# Altium PCB 10515.0500_Display_System（6拼版）_V1.0_20200907.PcbDoc (part 2 of 13)
Units mm, origin at the board's own origin, x right, y up, seen from the top; angles counter-clockwise.
Board outline 157 x 228.4 mm, 4 copper layers (Top Layer, Mid-Layer 1, Mid-Layer 2, Bottom Layer); 516 components, 0 nets, 1971 pads, 894 vias.
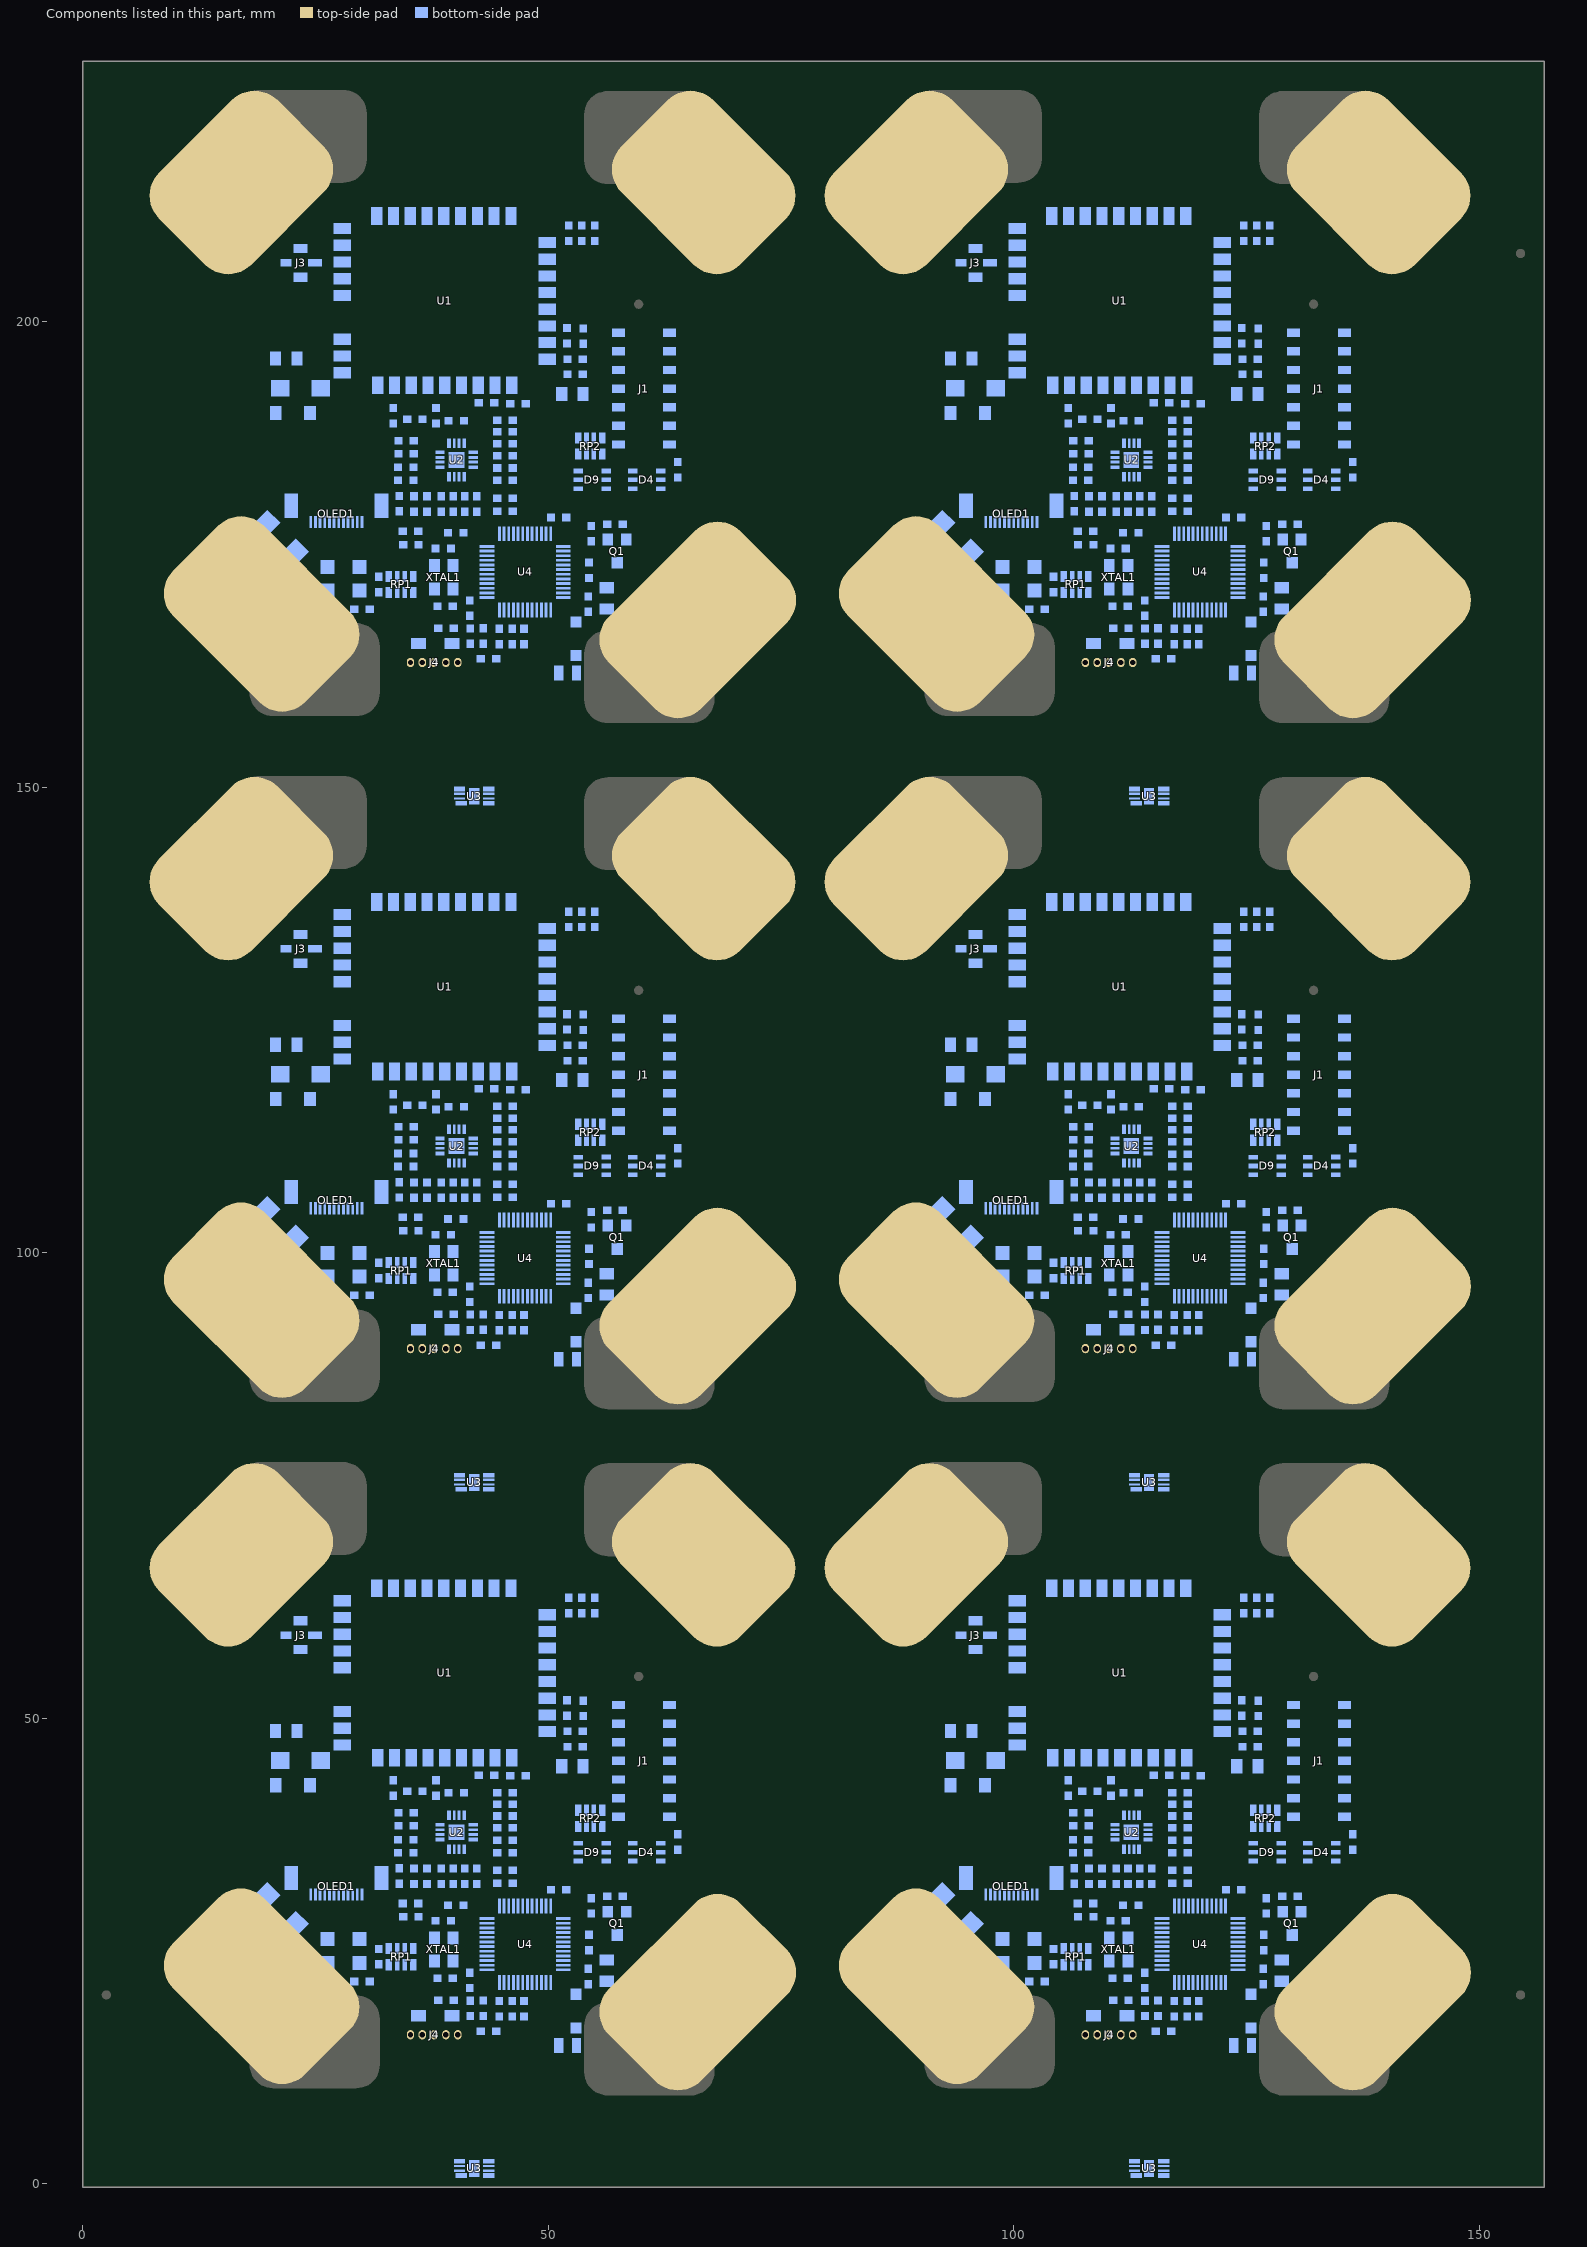
[diagram p4: the components of this part, seen from the top]

## Via types
v1: diameter 0.7, hole 0.4, Top Layer to Bottom Layer, tented both sides, 894 vias

## Nets (pads, with @x,y where several pads share a name; then routed paths per layer and width w, separated by ;. In a path a pad name is that pad's centre, name@x,y a point inside that pad or via, vN(x,y) a via of type N, cw(c..) or ccw(c..) an arc to the next point about the centre after c; other vN are vias at no path point) (continued)
copper on no net: | length 17429.5
  Top Layer w0.17: 14.578,59.753 20.864,53.467 21.372,52.959 21.372,41.91 21.372,41.402 25.817,36.957 v1(31.913,36.957) ; 14.578,133.453 20.864,127.167 21.372,126.659 21.372,115.61 21.372,115.102 25.817,110.657 v1(31.913,110.657) ; 14.578,207.153 20.864,200.867 21.372,200.359 21.372,189.31 21.372,188.802 25.817,184.357 v1(31.913,184.357) ; 19.213,29.21 25.563,35.56 v1(32.167,35.56) ; 19.213,102.91 25.563,109.26 v1(32.167,109.26) ; 19.213,176.61 25.563,182.96 v1(32.167,182.96) ; v1@31.726,36.77 ccw(c31.274,36.317) 31.274,36.957 ccw(c31.274,37.597) v1@31.726,37.144 ; v1@31.726,110.47 ccw(c31.274,110.017) 31.274,110.657 ccw(c31.274,111.297) v1@31.726,110.844 ; v1@31.726,184.17 ccw(c31.274,183.717) 31.274,184.357 ccw(c31.274,184.997) v1@31.726,184.544 ; v1@31.98,35.373 ccw(c31.528,34.92) 31.528,35.56 ccw(c31.528,36.2) v1@31.98,35.747 ; v1@31.98,109.073 ccw(c31.528,108.62) 31.528,109.26 ccw(c31.528,109.9) v1@31.98,109.447 ; v1@31.98,182.773 ccw(c31.528,182.32) 31.528,182.96 ccw(c31.528,183.6) v1@31.98,183.147 ; v1(51.344,35.56) 58.075,35.56 66.802,26.833 ; v1(51.344,36.639) 60.933,36.639 62.901,38.608 62.901,57.15 65.251,59.499 ; v1(51.344,109.26) 58.075,109.26 66.802,100.533 ; v1(51.344,110.339) 60.933,110.339 62.901,112.308 62.901,130.85 65.251,133.199 ; v1(51.344,182.96) 58.075,182.96 66.802,174.233 ; v1(51.344,184.039) 60.933,184.039 62.901,186.008 62.901,204.55 65.251,206.899 ; v1@51.532,35.373 cw(c51.984,34.92) 51.984,35.56 cw(c51.984,36.2) v1@51.532,35.747 ; v1@51.532,36.452 cw(c51.984,36) 51.984,36.639 cw(c51.984,37.279) v1@51.532,36.827 ; v1@51.532,109.073 cw(c51.984,108.62) 51.984,109.26 cw(c51.984,109.9) v1@51.532,109.447 ; v1@51.532,110.152 cw(c51.984,109.7) 51.984,110.339 cw(c51.984,110.979) v1@51.532,110.527 ; v1@51.532,182.773 cw(c51.984,182.32) 51.984,182.96 cw(c51.984,183.6) v1@51.532,183.147 ; v1@51.532,183.852 cw(c51.984,183.4) 51.984,184.039 cw(c51.984,184.679) v1@51.532,184.227 ; 64.785,59.034 cw(c65.938,57.881) 66.355,59.457 ; 64.785,132.734 cw(c65.938,131.581) 66.355,133.157 ; 64.785,206.434 cw(c65.938,205.281) 66.355,206.857 ; 64.994,59.243 cw(c66.026,58.212) 66.399,59.622 ; 64.994,132.943 cw(c66.026,131.912) 66.399,133.322 ; 64.994,206.643 cw(c66.026,205.612) 66.399,207.022 ; 65.203,59.452 cw(c66.113,58.542) 66.442,59.786 ; 65.203,133.152 cw(c66.113,132.242) 66.442,133.486 ; 65.203,206.852 cw(c66.113,205.942) 66.442,207.186 ; 87.078,59.753 93.364,53.467 93.872,52.959 93.872,41.91 93.872,41.402 98.317,36.957 v1(104.413,36.957) ; 87.078,133.453 93.364,127.167 93.872,126.659 93.872,115.61 93.872,115.102 98.317,110.657 v1(104.413,110.657) ; 87.078,207.153 93.364,200.867 93.872,200.359 93.872,189.31 93.872,188.802 98.317,184.357 v1(104.413,184.357) ; 91.713,29.21 98.063,35.56 v1(104.667,35.56) ; 91.713,102.91 98.063,109.26 v1(104.667,109.26) ; 91.713,176.61 98.063,182.96 v1(104.667,182.96) ; v1@104.226,36.77 ccw(c103.774,36.317) 103.774,36.957 ccw(c103.774,37.597) v1@104.226,37.144 ; v1@104.226,110.47 ccw(c103.774,110.017) 103.774,110.657 ccw(c103.774,111.297) v1@104.226,110.844 ; v1@104.226,184.17 ccw(c103.774,183.717) 103.774,184.357 ccw(c103.774,184.997) v1@104.226,184.544 ; v1@104.48,35.373 ccw(c104.028,34.92) 104.028,35.56 ccw(c104.028,36.2) v1@104.48,35.747 ; v1@104.48,109.073 ccw(c104.028,108.62) 104.028,109.26 ccw(c104.028,109.9) v1@104.48,109.447 ; v1@104.48,182.773 ccw(c104.028,182.32) 104.028,182.96 ccw(c104.028,183.6) v1@104.48,183.147 ; v1(123.844,35.56) 130.575,35.56 139.302,26.833 ; v1(123.844,36.639) 133.433,36.639 135.401,38.608 135.401,57.15 137.751,59.499 ; v1(123.844,109.26) 130.575,109.26 139.302,100.533 ; v1(123.844,110.339) 133.433,110.339 135.401,112.308 135.401,130.85 137.751,133.199 ; v1(123.844,182.96) 130.575,182.96 139.302,174.233 ; v1(123.844,184.039) 133.433,184.039 135.401,186.008 135.401,204.55 137.751,206.899 ; v1@124.032,35.373 cw(c124.484,34.92) 124.484,35.56 cw(c124.484,36.2) v1@124.032,35.747 ; v1@124.032,36.452 cw(c124.484,36) 124.484,36.639 cw(c124.484,37.279) v1@124.032,36.827 ; v1@124.032,109.073 cw(c124.484,108.62) 124.484,109.26 cw(c124.484,109.9) v1@124.032,109.447 ; v1@124.032,110.152 cw(c124.484,109.7) 124.484,110.339 cw(c124.484,110.979) v1@124.032,110.527 ; v1@124.032,182.773 cw(c124.484,182.32) 124.484,182.96 cw(c124.484,183.6) v1@124.032,183.147 ; v1@124.032,183.852 cw(c124.484,183.4) 124.484,184.039 cw(c124.484,184.679) v1@124.032,184.227 ; 137.285,59.034 cw(c138.438,57.881) 138.855,59.457 ; 137.285,132.734 cw(c138.438,131.581) 138.855,133.157 ; 137.285,206.434 cw(c138.438,205.281) 138.855,206.857 ; 137.494,59.243 cw(c138.526,58.212) 138.899,59.622 ; 137.494,132.943 cw(c138.526,131.912) 138.899,133.322 ; 137.494,206.643 cw(c138.526,205.612) 138.899,207.022 ; 137.703,59.452 cw(c138.613,58.542) 138.942,59.786 ; 137.703,133.152 cw(c138.613,132.242) 138.942,133.486 ; 137.703,206.852 cw(c138.613,205.942) 138.942,207.186
  Top Layer w0.178: 17.422,55.051 18.277,55.051 19.864,53.464 19.864,34.814 18.832,33.782 ; 17.422,128.751 18.277,128.751 19.864,127.164 19.864,108.514 18.832,107.482 ; 17.422,202.451 18.277,202.451 19.864,200.864 19.864,182.214 18.832,181.182 ; 19.864,35.179 20.529,35.179 ; 19.864,108.879 20.529,108.879 ; 19.864,182.579 20.529,182.579 ; 19.869,40.264 20.652,40.264 ; 19.869,113.964 20.652,113.964 ; 19.869,187.664 20.652,187.664 ; 19.991,36.322 20.652,36.322 ; 19.991,37.465 20.652,37.465 ; 19.991,38.608 20.652,38.608 ; 19.991,110.022 20.652,110.022 ; 19.991,111.165 20.652,111.165 ; 19.991,112.308 20.652,112.308 ; 19.991,183.722 20.652,183.722 ; 19.991,184.865 20.652,184.865 ; 19.991,186.008 20.652,186.008 ; 20.652,39.116 20.652,39.201 ; 20.652,112.816 20.652,112.901 ; 20.652,186.516 20.652,186.601 ; 63.79,36.322 63.848,36.322 ; 63.79,110.022 63.848,110.022 ; 63.79,183.722 63.848,183.722 ; 63.848,37.697 64.215,38.064 ; 63.848,111.397 64.215,111.764 ; 63.848,185.097 64.215,185.464 ; 63.973,37.822 64.215,38.064 ; 63.973,111.522 64.215,111.764 ; 63.973,185.222 64.215,185.464 ; 64.215,54.101 64.215,38.064 ; 64.215,127.801 64.215,111.764 ; 64.215,201.501 64.215,185.464 ; 89.922,55.051 90.777,55.051 92.364,53.464 92.364,34.814 91.332,33.782 ; 89.922,128.751 90.777,128.751 92.364,127.164 92.364,108.514 91.332,107.482 ; 89.922,202.451 90.777,202.451 92.364,200.864 92.364,182.214 91.332,181.182 ; 92.364,35.179 93.029,35.179 ; 92.364,108.879 93.029,108.879 ; 92.364,182.579 93.029,182.579 ; 92.369,40.264 93.152,40.264 ; 92.369,113.964 93.152,113.964 ; 92.369,187.664 93.152,187.664 ; 92.491,36.322 93.152,36.322 ; 92.491,37.465 93.152,37.465 ; 92.491,38.608 93.152,38.608 ; 92.491,110.022 93.152,110.022 ; 92.491,111.165 93.152,111.165 ; 92.491,112.308 93.152,112.308 ; 92.491,183.722 93.152,183.722 ; 92.491,184.865 93.152,184.865 ; 92.491,186.008 93.152,186.008 ; 93.152,39.116 93.152,39.201 ; 93.152,112.816 93.152,112.901 ; 93.152,186.516 93.152,186.601 ; 136.29,36.322 136.348,36.322 ; 136.29,110.022 136.348,110.022 ; 136.29,183.722 136.348,183.722 ; 136.348,37.697 136.715,38.064 ; 136.348,111.397 136.715,111.764 ; 136.348,185.097 136.715,185.464 ; 136.473,37.822 136.715,38.064 ; 136.473,111.522 136.715,111.764 ; 136.473,185.222 136.715,185.464 ; 136.715,54.101 136.715,38.064 ; 136.715,127.801 136.715,111.764 ; 136.715,201.501 136.715,185.464
  Top Layer w0.2: v1@50.405,38.812 cw(c49.979,38.385) 50.582,38.385 cw(c51.186,38.385) v1@50.759,38.812 ; v1@50.405,112.512 cw(c49.979,112.085) 50.582,112.085 cw(c51.186,112.085) v1@50.759,112.512 ; v1@50.405,186.212 cw(c49.979,185.785) 50.582,185.785 cw(c51.186,185.785) v1@50.759,186.212 ; v1(50.582,38.989) 50.582,33.528 50.836,33.274 58.456,33.274 59.091,32.639 v1(59.091,31.75) ; v1(50.582,112.689) 50.582,107.228 50.836,106.974 58.456,106.974 59.091,106.339 v1(59.091,105.45) ; v1(50.582,186.389) 50.582,180.928 50.836,180.674 58.456,180.674 59.091,180.039 v1(59.091,179.15) ; 51.344,56.896 50.563,56.115 50.563,40.933 49.253,39.622 49.253,29.904 49.82,29.337 v1(53.503,29.337) ; 51.344,130.596 50.563,129.815 50.563,114.633 49.253,113.322 49.253,103.604 49.82,103.037 v1(53.503,103.037) ; 51.344,204.296 50.563,203.515 50.563,188.333 49.253,187.022 49.253,177.304 49.82,176.737 v1(53.503,176.737) ; v1@52.31,55.957 ccw(c51.884,55.53) 51.884,56.134 ccw(c51.884,56.738) v1@52.31,56.311 ; v1@52.31,129.657 ccw(c51.884,129.23) 51.884,129.834 ccw(c51.884,130.438) v1@52.31,130.011 ; v1@52.31,203.357 ccw(c51.884,202.93) 51.884,203.534 ccw(c51.884,204.138) v1@52.31,203.711 ; v1@52.437,30.049 ccw(c52.011,29.622) 52.011,30.226 ccw(c52.011,30.83) v1@52.437,30.403 ; v1@52.437,103.749 ccw(c52.011,103.322) 52.011,103.926 ccw(c52.011,104.53) v1@52.437,104.103 ; v1@52.437,177.449 ccw(c52.011,177.022) 52.011,177.626 ccw(c52.011,178.23) v1@52.437,177.803 ; v1(52.487,56.134) 51.471,56.134 50.963,55.626 50.963,40.767 49.653,39.457 49.653,30.52 49.947,30.226 v1(52.614,30.226) ; v1(52.487,129.834) 51.471,129.834 50.963,129.326 50.963,114.467 49.653,113.157 49.653,104.22 49.947,103.926 v1(52.614,103.926) ; v1(52.487,203.534) 51.471,203.534 50.963,203.026 50.963,188.167 49.653,186.857 49.653,177.92 49.947,177.626 v1(52.614,177.626) ; v1@53.326,29.16 ccw(c52.9,28.733) 52.9,29.337 ccw(c52.9,29.941) v1@53.326,29.514 ; v1@53.326,102.86 ccw(c52.9,102.433) 52.9,103.037 ccw(c52.9,103.641) v1@53.326,103.214 ; v1@53.326,176.56 ccw(c52.9,176.133) 52.9,176.737 ccw(c52.9,177.341) v1@53.326,176.914 ; v1@58.914,31.927 ccw(c58.488,32.354) 59.091,32.354 ccw(c59.695,32.354) v1@59.268,31.927 ; v1@58.914,105.627 ccw(c58.488,106.054) 59.091,106.054 ccw(c59.695,106.054) v1@59.268,105.627 ; v1@58.914,179.327 ccw(c58.488,179.754) 59.091,179.754 ccw(c59.695,179.754) v1@59.268,179.327 ; v1@122.905,38.812 cw(c122.479,38.385) 123.082,38.385 cw(c123.686,38.385) v1@123.259,38.812 ; v1@122.905,112.512 cw(c122.479,112.085) 123.082,112.085 cw(c123.686,112.085) v1@123.259,112.512 ; v1@122.905,186.212 cw(c122.479,185.785) 123.082,185.785 cw(c123.686,185.785) v1@123.259,186.212 ; v1(123.082,38.989) 123.082,33.528 123.336,33.274 130.956,33.274 131.591,32.639 v1(131.591,31.75) ; v1(123.082,112.689) 123.082,107.228 123.336,106.974 130.956,106.974 131.591,106.339 v1(131.591,105.45) ; v1(123.082,186.389) 123.082,180.928 123.336,180.674 130.956,180.674 131.591,180.039 v1(131.591,179.15) ; 123.844,56.896 123.063,56.115 123.063,40.933 121.753,39.622 121.753,29.904 122.32,29.337 v1(126.003,29.337) ; 123.844,130.596 123.063,129.815 123.063,114.633 121.753,113.322 121.753,103.604 122.32,103.037 v1(126.003,103.037) ; 123.844,204.296 123.063,203.515 123.063,188.333 121.753,187.022 121.753,177.304 122.32,176.737 v1(126.003,176.737) ; v1@124.81,55.957 ccw(c124.384,55.53) 124.384,56.134 ccw(c124.384,56.738) v1@124.81,56.311 ; v1@124.81,129.657 ccw(c124.384,129.23) 124.384,129.834 ccw(c124.384,130.438) v1@124.81,130.011 ; v1@124.81,203.357 ccw(c124.384,202.93) 124.384,203.534 ccw(c124.384,204.138) v1@124.81,203.711 ; v1@124.937,30.049 ccw(c124.511,29.622) 124.511,30.226 ccw(c124.511,30.83) v1@124.937,30.403 ; v1@124.937,103.749 ccw(c124.511,103.322) 124.511,103.926 ccw(c124.511,104.53) v1@124.937,104.103 ; v1@124.937,177.449 ccw(c124.511,177.022) 124.511,177.626 ccw(c124.511,178.23) v1@124.937,177.803 ; v1(124.987,56.134) 123.971,56.134 123.463,55.626 123.463,40.767 122.153,39.457 122.153,30.52 122.447,30.226 v1(125.114,30.226) ; v1(124.987,129.834) 123.971,129.834 123.463,129.326 123.463,114.467 122.153,113.157 122.153,104.22 122.447,103.926 v1(125.114,103.926) ; v1(124.987,203.534) 123.971,203.534 123.463,203.026 123.463,188.167 122.153,186.857 122.153,177.92 122.447,177.626 v1(125.114,177.626) ; v1@125.826,29.16 ccw(c125.4,28.733) 125.4,29.337 ccw(c125.4,29.941) v1@125.826,29.514 ; v1@125.826,102.86 ccw(c125.4,102.433) 125.4,103.037 ccw(c125.4,103.641) v1@125.826,103.214 ; v1@125.826,176.56 ccw(c125.4,176.133) 125.4,176.737 ccw(c125.4,177.341) v1@125.826,176.914 ; v1@131.414,31.927 ccw(c130.988,32.354) 131.591,32.354 ccw(c132.195,32.354) v1@131.768,31.927 ; v1@131.414,105.627 ccw(c130.988,106.054) 131.591,106.054 ccw(c132.195,106.054) v1@131.768,105.627 ; v1@131.414,179.327 ccw(c130.988,179.754) 131.591,179.754 ccw(c132.195,179.754) v1@131.768,179.327
  Top Layer w0.25: v1(27.849,22.098) 30.897,22.098 31.238,22.439 31.238,32.345 31.763,32.87 46.622,32.87 47.026,33.274 v1(47.026,38.227) ; v1(27.849,95.798) 30.897,95.798 31.238,96.139 31.238,106.045 31.763,106.57 46.622,106.57 47.026,106.974 v1(47.026,111.927) ; v1(27.849,169.498) 30.897,169.498 31.238,169.839 31.238,179.745 31.763,180.27 46.622,180.27 47.026,180.674 v1(47.026,185.627) ; v1@28.008,21.939 cw(c28.392,21.555) 28.392,22.098 cw(c28.392,22.641) v1@28.008,22.257 ; v1@28.008,95.639 cw(c28.392,95.255) 28.392,95.798 cw(c28.392,96.341) v1@28.008,95.957 ; v1@28.008,169.339 cw(c28.392,168.955) 28.392,169.498 cw(c28.392,170.041) v1@28.008,169.657 ; v1@31.754,21.912 ccw(c31.37,22.296) 31.913,22.296 ccw(c32.456,22.296) v1@32.072,21.912 ; v1@31.754,30.194 cw(c31.37,29.81) 31.913,29.81 cw(c32.456,29.81) v1@32.072,30.194 ; v1@31.754,95.612 ccw(c31.37,95.996) 31.913,95.996 ccw(c32.456,95.996) v1@32.072,95.612 ; v1@31.754,103.894 cw(c31.37,103.51) 31.913,103.51 cw(c32.456,103.51) v1@32.072,103.894 ; v1@31.754,169.312 ccw(c31.37,169.696) 31.913,169.696 ccw(c32.456,169.696) v1@32.072,169.312 ; v1@31.754,177.594 cw(c31.37,177.21) 31.913,177.21 cw(c32.456,177.21) v1@32.072,177.594 ; v1(31.913,21.752) v1(31.913,30.353) ; v1(31.913,95.452) v1(31.913,104.053) ; v1(31.913,169.152) v1(31.913,177.753) ; v1(32.675,22.479) 33.691,22.479 v1(34.644,21.526) ; v1(32.675,96.179) 33.691,96.179 v1(34.644,95.226) ; v1(32.675,169.879) 33.691,169.879 v1(34.644,168.926) ; v1@32.834,22.32 cw(c33.218,21.936) 33.218,22.479 cw(c33.218,23.022) v1@32.834,22.638 ; v1@32.834,96.02 cw(c33.218,95.636) 33.218,96.179 cw(c33.218,96.722) v1@32.834,96.338 ; v1@32.834,169.72 cw(c33.218,169.336) 33.218,169.879 cw(c33.218,170.422) v1@32.834,170.038 ; v1@34.419,21.526 ccw(c33.876,21.526) 34.26,21.911 ccw(c34.644,22.295) v1@34.644,21.752 ; v1@34.419,95.226 ccw(c33.876,95.226) 34.26,95.611 ccw(c34.644,95.995) v1@34.644,95.452 ; v1@34.419,168.926 ccw(c33.876,168.926) 34.26,169.311 ccw(c34.644,169.695) v1@34.644,169.152 ; v1@37.723,9.303 ccw(c37.339,9.687) 37.882,9.687 ccw(c38.425,9.687) v1@38.041,9.303 ; v1@37.723,83.003 ccw(c37.339,83.387) 37.882,83.387 ccw(c38.425,83.387) v1@38.041,83.003 ; v1@37.723,156.703 ccw(c37.339,157.087) 37.882,157.087 ccw(c38.425,157.087) v1@38.041,156.703 ; v1(37.882,9.144) 37.882,10.922 38.009,11.049 44.359,11.049 44.867,11.557 v1@44.867,18.796 ; v1@37.882,32.194 44.804,32.194 45.121,31.877 v1(45.121,31.242) ; v1(37.882,82.844) 37.882,84.622 38.009,84.749 44.359,84.749 44.867,85.257 v1@44.867,92.496 ; v1@37.882,105.894 44.804,105.894 45.121,105.577 v1(45.121,104.942) ; v1(37.882,156.544) 37.882,158.322 38.009,158.449 44.359,158.449 44.867,158.957 v1@44.867,166.196 ; v1@37.882,179.594 44.804,179.594 45.121,179.277 v1(45.121,178.642) ; v1@37.914,32.035 cw(c38.298,31.651) 38.298,32.194 cw(c38.298,32.738) v1@37.914,32.354 ; v1@37.914,105.735 cw(c38.298,105.351) 38.298,105.894 cw(c38.298,106.438) v1@37.914,106.054 ; v1@37.914,179.435 cw(c38.298,179.051) 38.298,179.594 cw(c38.298,180.138) v1@37.914,179.754 ; v1@38.866,8.922 ccw(c38.482,9.306) 39.025,9.306 ccw(c39.568,9.306) v1@39.184,8.922 ; v1@38.866,82.622 ccw(c38.482,83.006) 39.025,83.006 ccw(c39.568,83.006) v1@39.184,82.622 ; v1@38.866,156.322 ccw(c38.482,156.706) 39.025,156.706 ccw(c39.568,156.706) v1@39.184,156.322 ; v1@39.025,9.017 39.025,10.414 39.21,10.599 45.052,10.599 ; v1@39.025,82.717 39.025,84.114 39.21,84.299 45.052,84.299 ; v1@39.025,156.417 39.025,157.814 39.21,157.999 45.052,157.999 ; v1@39.77,31.387 cw(c40.437,30.72) 40.437,31.663 ; v1@39.77,105.087 cw(c40.437,104.42) 40.437,105.363 ; v1@39.77,178.787 cw(c40.437,178.12) 40.437,179.063 ; v1(39.787,31.369) 40.081,31.663 43.811,31.663 44.105,31.369 v1(44.105,29.972) ; v1(39.787,105.069) 40.081,105.363 43.811,105.363 44.105,105.069 v1(44.105,103.672) ; v1(39.787,178.769) 40.081,179.063 43.811,179.063 44.105,178.769 v1(44.105,177.372) ; v1@39.946,31.21 cw(c41.04,30.116) 41.04,31.663 ; v1@39.946,104.91 cw(c41.04,103.816) 41.04,105.363 ; v1@39.946,178.61 cw(c41.04,177.516) 41.04,179.063 ; v1@41.406,23.908 ccw(c41.022,24.292) 41.565,24.292 ccw(c42.108,24.292) v1@41.724,23.908 ; v1@41.406,97.608 ccw(c41.022,97.992) 41.565,97.992 ccw(c42.108,97.992) v1@41.724,97.608 ; v1@41.406,171.308 ccw(c41.022,171.692) 41.565,171.692 ccw(c42.108,171.692) v1@41.724,171.308 ; v1(41.565,23.749) 41.565,25.527 42.012,25.973 v1(44.933,25.973) ; v1(41.565,97.449) 41.565,99.227 42.012,99.673 v1(44.933,99.673) ; v1(41.565,171.149) 41.565,172.927 42.012,173.373 v1(44.933,173.373) ; v1(42.2,30.988) 43.089,30.988 43.343,30.734 v1(43.343,29.083) ; v1(42.2,104.688) 43.089,104.688 43.343,104.434 v1(43.343,102.783) ; v1(42.2,178.388) 43.089,178.388 43.343,178.134 v1(43.343,176.483) ; v1@42.359,30.829 cw(c42.743,30.445) 42.743,30.988 cw(c42.743,31.531) v1@42.359,31.147 ; v1@42.359,104.529 cw(c42.743,104.145) 42.743,104.688 cw(c42.743,105.231) v1@42.359,104.847 ; v1@42.359,178.229 cw(c42.743,177.845) 42.743,178.388 cw(c42.743,178.931) v1@42.359,178.547 ; v1@43.184,29.242 ccw(c42.8,29.626) 43.343,29.626 ccw(c43.886,29.626) v1@43.502,29.242 ; v1@43.184,102.942 ccw(c42.8,103.326) 43.343,103.326 ccw(c43.886,103.326) v1@43.502,102.942 ; v1@43.184,176.642 ccw(c42.8,177.026) 43.343,177.026 ccw(c43.886,177.026) v1@43.502,176.642 ; v1@43.946,30.131 ccw(c43.562,30.515) 44.105,30.515 ccw(c44.648,30.515) v1@44.264,30.131 ; v1@43.946,103.831 ccw(c43.562,104.215) 44.105,104.215 ccw(c44.648,104.215) v1@44.264,103.831 ; v1@43.946,177.531 ccw(c43.562,177.915) 44.105,177.915 ccw(c44.648,177.915) v1@44.264,177.531 ; v1@44.708,18.891 cw(c44.324,18.507) 44.867,18.507 cw(c45.41,18.507) v1@45.026,18.891 ; v1@44.708,92.591 cw(c44.324,92.207) 44.867,92.207 cw(c45.41,92.207) v1@45.026,92.591 ; v1@44.708,166.291 cw(c44.324,165.907) 44.867,165.907 cw(c45.41,165.907) v1@45.026,166.291 ; v1@44.774,25.814 ccw(c44.39,25.43) 44.39,25.973 ccw(c44.39,26.517) v1@44.774,26.133 ; v1@44.774,99.514 ccw(c44.39,99.13) 44.39,99.673 ccw(c44.39,100.217) v1@44.774,99.833 ; v1@44.774,173.214 ccw(c44.39,172.83) 44.39,173.373 ccw(c44.39,173.917) v1@44.774,173.533 ; v1@44.962,31.401 ccw(c44.578,31.785) 45.121,31.785 ccw(c45.664,31.785) v1@45.28,31.401 ; v1@44.962,105.101 ccw(c44.578,105.485) 45.121,105.485 ccw(c45.664,105.485) v1@45.28,105.101 ; v1@44.962,178.801 ccw(c44.578,179.185) 45.121,179.185 ccw(c45.664,179.185) v1@45.28,178.801 ; v1@44.977,24.021 cw(c45.337,23.66) 45.337,24.17 ; v1@44.977,97.721 cw(c45.337,97.36) 45.337,97.87 ; v1@44.977,171.421 cw(c45.337,171.06) 45.337,171.57 ; v1(44.994,24.003) 45.161,24.17 51.257,24.17 51.725,24.638 51.725,26.797 52.614,27.686 54.392,27.686 v1@54.519,27.813 ; v1(44.994,97.703) 45.161,97.87 51.257,97.87 51.725,98.338 51.725,100.497 52.614,101.386 54.392,101.386 v1@54.519,101.513 ; v1(44.994,171.403) 45.161,171.57 51.257,171.57 51.725,172.038 51.725,174.197 52.614,175.086 54.392,175.086 v1@54.519,175.213 ; 45.121,10.668 45.375,10.922 45.375,17.97 45.756,18.351 v1@45.756,19.05 ; 45.121,84.368 45.375,84.622 45.375,91.67 45.756,92.051 v1@45.756,92.75 ; 45.121,158.068 45.375,158.322 45.375,165.37 45.756,165.751 v1@45.756,166.45 ; v1@45.153,23.844 cw(c45.941,23.057) 45.941,24.17 ; v1@45.153,97.544 cw(c45.941,96.757) 45.941,97.87 ; v1@45.153,171.244 cw(c45.941,170.457) 45.941,171.57 ; 45.756,18.34 cw(c46.423,18.34) v1@46.019,18.871 ; 45.756,92.04 cw(c46.423,92.04) v1@46.019,92.571 ; 45.756,165.74 cw(c46.423,165.74) v1@46.019,166.271 ; v1(46.137,16.256) 50.328,16.256 50.582,16.51 v1(50.582,17.145) ; v1(46.137,89.956) 50.328,89.956 50.582,90.21 v1(50.582,90.845) ; v1(46.137,163.656) 50.328,163.656 50.582,163.91 v1(50.582,164.545) ; v1@46.296,16.097 cw(c46.68,15.713) 46.68,16.256 cw(c46.68,16.799) v1@46.296,16.415 ; v1@46.296,89.797 cw(c46.68,89.413) 46.68,89.956 cw(c46.68,90.499) v1@46.296,90.115 ; v1@46.296,163.497 cw(c46.68,163.113) 46.68,163.656 cw(c46.68,164.199) v1@46.296,163.815 ; v1(46.391,15.367) 46.772,15.748 ; v1(46.391,89.067) 46.772,89.448 ; v1(46.391,162.767) 46.772,163.148 ; v1@46.393,15.592 ccw(c46.396,16.125) 46.772,15.748 ; v1@46.393,89.292 ccw(c46.396,89.825) 46.772,89.448 ; v1@46.393,162.992 ccw(c46.396,163.525) 46.772,163.148 ; v1@46.616,15.368 cw(c47.149,15.371) 46.772,15.748 ; v1@46.616,89.068 cw(c47.149,89.071) 46.772,89.448 ; v1@46.616,162.768 cw(c47.149,162.771) 46.772,163.148 ; v1@46.867,38.068 cw(c46.483,37.684) 47.026,37.684 cw(c47.569,37.684) v1@47.185,38.068 ; v1@46.867,111.768 cw(c46.483,111.384) 47.026,111.384 cw(c47.569,111.384) v1@47.185,111.768 ; v1@46.867,185.468 cw(c46.483,185.084) 47.026,185.084 cw(c47.569,185.084) v1@47.185,185.468 ; v1@47.368,31.775 ccw(c47.059,32.116) 47.52,32.116 ; v1@47.368,105.475 ccw(c47.059,105.816) 47.52,105.816 ; v1@47.368,179.175 ccw(c47.059,179.516) 47.52,179.516 ; v1@47.407,15.113 52.36,15.113 52.868,15.621 52.868,24.511 v1(53.122,24.765) ; v1@47.407,88.813 52.36,88.813 52.868,89.321 52.868,98.211 v1(53.122,98.465) ; v1@47.407,162.513 52.36,162.513 52.868,163.021 52.868,171.911 v1(53.122,172.165) ; v1(47.52,31.608) 47.52,32.116 ; v1(47.52,105.308) 47.52,105.816 ; v1(47.52,179.008) 47.52,179.516 ; v1@47.566,14.827 cw(c48.257,14.136) 48.257,15.113 ; v1@47.566,88.527 cw(c48.257,87.836) 48.257,88.813 ; v1@47.566,162.227 cw(c48.257,161.536) 48.257,162.513 ; v1@47.615,42.386 cw(c47.23,42.002) 47.774,42.002 cw(c48.317,42.002) v1@47.933,42.386 ; v1@47.615,116.086 cw(c47.23,115.702) 47.774,115.702 cw(c48.317,115.702) v1@47.933,116.086 ; v1@47.615,189.786 cw(c47.23,189.402) 47.774,189.402 cw(c48.317,189.402) v1@47.933,189.786 ; v1@47.671,31.775 cw(c47.981,32.116) 47.52,32.116 ; v1@47.671,105.475 cw(c47.981,105.816) 47.52,105.816 ; v1@47.671,179.175 cw(c47.981,179.516) 47.52,179.516 ; v1(47.774,42.545) 47.774,32.37 47.52,32.116 ; v1(47.774,116.245) 47.774,106.07 47.52,105.816 ; v1(47.774,189.945) 47.774,179.77 47.52,179.516 ; v1@50.423,16.986 cw(c50.039,16.602) 50.582,16.602 cw(c51.125,16.602) v1@50.741,16.986 ; v1@50.423,90.686 cw(c50.039,90.302) 50.582,90.302 cw(c51.125,90.302) v1@50.741,90.686 ; v1@50.423,164.386 cw(c50.039,164.002) 50.582,164.002 cw(c51.125,164.002) v1@50.741,164.386 ; 51.344,56.896 v1(53.376,56.896) ; 51.344,130.596 v1(53.376,130.596) ; 51.344,204.296 v1(53.376,204.296) ; v1@51.693,42.577 ccw(c51.309,42.961) 51.852,42.961 ccw(c52.395,42.961) v1@52.011,42.577 ; v1@51.693,54.324 cw(c51.309,53.94) 51.852,53.94 cw(c52.395,53.94) v1@52.011,54.324 ; v1@51.693,116.277 ccw(c51.309,116.661) 51.852,116.661 ccw(c52.395,116.661) v1@52.011,116.277 ; v1@51.693,128.024 cw(c51.309,127.64) 51.852,127.64 cw(c52.395,127.64) v1@52.011,128.024 ; v1@51.693,189.977 ccw(c51.309,190.361) 51.852,190.361 ccw(c52.395,190.361) v1@52.011,189.977 ; v1@51.693,201.724 cw(c51.309,201.34) 51.852,201.34 cw(c52.395,201.34) v1@52.011,201.724 ; v1(51.852,42.418) v1(51.852,54.483) ; v1(51.852,116.118) v1(51.852,128.183) ; v1(51.852,189.818) v1(51.852,201.883) ; v1@52.455,41.688 ccw(c51.738,42.405) 52.752,42.405 ; v1@52.455,115.388 ccw(c51.738,116.105) 52.752,116.105 ; v1@52.455,189.088 ccw(c51.738,189.805) 52.752,189.805 ; v1(52.614,41.529) 52.752,41.667 52.752,54.367 v1(52.868,54.483) ; v1(52.614,115.229) 52.752,115.367 52.752,128.067 v1(52.868,128.183) ; v1(52.614,188.929) 52.752,189.067 52.752,201.767 v1(52.868,201.883) ; 52.752,53.66 cw(c53.692,53.66) v1@53.027,54.324 ; 52.752,127.36 cw(c53.692,127.36) v1@53.027,128.024 ; 52.752,201.06 cw(c53.692,201.06) v1@53.027,201.724 ; 52.868,23.609 cw(c54.279,23.609) v1@53.281,24.606 ; 52.868,24.212 cw(c53.675,24.212) v1@53.105,24.783 ; 52.868,97.309 cw(c54.279,97.309) v1@53.281,98.306 ; 52.868,97.912 cw(c53.675,97.912) v1@53.105,98.483 ; 52.868,171.009 cw(c54.279,171.009) v1@53.281,172.006 ; 52.868,171.612 cw(c53.675,171.612) v1@53.105,172.183 ; v1@53.217,56.737 ccw(c52.833,56.353) 52.833,56.896 ccw(c52.833,57.439) v1@53.217,57.055 ; v1@53.217,130.437 ccw(c52.833,130.053) 52.833,130.596 ccw(c52.833,131.139) v1@53.217,130.755 ; v1@53.217,204.137 ccw(c52.833,203.753) 52.833,204.296 ccw(c52.833,204.839) v1@53.217,204.455 ; 53.363,27.686 ccw(c53.363,29.096) v1@54.36,28.099 ; 53.363,101.386 ccw(c53.363,102.796) v1@54.36,101.799 ; 53.363,175.086 ccw(c53.363,176.496) v1@54.36,175.499 ; 53.966,27.686 ccw(c53.966,28.493) v1@54.537,27.922 ; 53.966,101.386 ccw(c53.966,102.193) v1@54.537,101.622 ; 53.966,175.086 ccw(c53.966,175.893) v1@54.537,175.322 ; v1@55.249,26.638 ccw(c54.865,26.254) 54.865,26.797 ccw(c54.865,27.34) v1@55.249,26.956 ; v1@55.249,100.338 ccw(c54.865,99.954) 54.865,100.497 ccw(c54.865,101.04) v1@55.249,100.656 ; v1@55.249,174.038 ccw(c54.865,173.654) 54.865,174.197 ccw(c54.865,174.74) v1@55.249,174.356 ; v1(55.408,26.797) 52.868,26.797 52.418,26.347 52.418,16.187 51.979,15.748 46.772,15.748 ; v1(55.408,100.497) 52.868,100.497 52.418,100.047 52.418,89.887 51.979,89.448 46.772,89.448 ; v1(55.408,174.197) 52.868,174.197 52.418,173.747 52.418,163.587 51.979,163.148 46.772,163.148 ; 65.951,20.148 66.023,20.148 ; 65.951,93.848 66.023,93.848 ; 65.951,167.548 66.023,167.548 ; v1(100.349,22.098) 103.397,22.098 103.738,22.439 103.738,32.345 104.263,32.87 119.122,32.87 119.526,33.274 v1(119.526,38.227) ; v1(100.349,95.798) 103.397,95.798 103.738,96.139 103.738,106.045 104.263,106.57 119.122,106.57 119.526,106.974 v1(119.526,111.927) ; v1(100.349,169.498) 103.397,169.498 103.738,169.839 103.738,179.745 104.263,180.27 119.122,180.27 119.526,180.674 v1(119.526,185.627) ; v1@100.508,21.939 cw(c100.892,21.555) 100.892,22.098 cw(c100.892,22.641) v1@100.508,22.257 ; v1@100.508,95.639 cw(c100.892,95.255) 100.892,95.798 cw(c100.892,96.341) v1@100.508,95.957 ; v1@100.508,169.339 cw(c100.892,168.955) 100.892,169.498 cw(c100.892,170.041) v1@100.508,169.657 ; v1@104.254,21.912 ccw(c103.87,22.296) 104.413,22.296 ccw(c104.956,22.296) v1@104.572,21.912 ; v1@104.254,30.194 cw(c103.87,29.81) 104.413,29.81 cw(c104.956,29.81) v1@104.572,30.194 ; v1@104.254,95.612 ccw(c103.87,95.996) 104.413,95.996 ccw(c104.956,95.996) v1@104.572,95.612 ; v1@104.254,103.894 cw(c103.87,103.51) 104.413,103.51 cw(c104.956,103.51) v1@104.572,103.894 ; v1@104.254,169.312 ccw(c103.87,169.696) 104.413,169.696 ccw(c104.956,169.696) v1@104.572,169.312 ; v1@104.254,177.594 cw(c103.87,177.21) 104.413,177.21 cw(c104.956,177.21) v1@104.572,177.594 ; v1(104.413,21.752) v1(104.413,30.353) ; v1(104.413,95.452) v1(104.413,104.053) ; v1(104.413,169.152) v1(104.413,177.753) ; v1(105.175,22.479) 106.191,22.479 v1(107.144,21.526) ; v1(105.175,96.179) 106.191,96.179 v1(107.144,95.226) ; v1(105.175,169.879) 106.191,169.879 v1(107.144,168.926) ; v1@105.334,22.32 cw(c105.718,21.936) 105.718,22.479 cw(c105.718,23.022) v1@105.334,22.638 ; v1@105.334,96.02 cw(c105.718,95.636) 105.718,96.179 cw(c105.718,96.722) v1@105.334,96.338 ; v1@105.334,169.72 cw(c105.718,169.336) 105.718,169.879 cw(c105.718,170.422) v1@105.334,170.038 ; v1@106.919,21.526 ccw(c106.376,21.526) 106.76,21.911 ccw(c107.144,22.295) v1@107.144,21.752 ; v1@106.919,95.226 ccw(c106.376,95.226) 106.76,95.611 ccw(c107.144,95.995) v1@107.144,95.452 ; v1@106.919,168.926 ccw(c106.376,168.926) 106.76,169.311 ccw(c107.144,169.695) v1@107.144,169.152 ; v1@110.223,9.303 ccw(c109.839,9.687) 110.382,9.687 ccw(c110.925,9.687) v1@110.541,9.303 ; v1@110.223,83.003 ccw(c109.839,83.387) 110.382,83.387 ccw(c110.925,83.387) v1@110.541,83.003 ; v1@110.223,156.703 ccw(c109.839,157.087) 110.382,157.087 ccw(c110.925,157.087) v1@110.541,156.703 ; v1(110.382,9.144) 110.382,10.922 110.509,11.049 116.859,11.049 117.367,11.557 v1@117.367,18.796 ; v1@110.382,32.194 117.304,32.194 117.621,31.877 v1(117.621,31.242) ; v1(110.382,82.844) 110.382,84.622 110.509,84.749 116.859,84.749 117.367,85.257 v1@117.367,92.496 ; v1@110.382,105.894 117.304,105.894 117.621,105.577 v1(117.621,104.942) ; v1(110.382,156.544) 110.382,158.322 110.509,158.449 116.859,158.449 117.367,158.957 v1@117.367,166.196 ; v1@110.382,179.594 117.304,179.594 117.621,179.277 v1(117.621,178.642) ; v1@110.414,32.035 cw(c110.798,31.651) 110.798,32.194 cw(c110.798,32.738) v1@110.414,32.354 ; v1@110.414,105.735 cw(c110.798,105.351) 110.798,105.894 cw(c110.798,106.438) v1@110.414,106.054 ; v1@110.414,179.435 cw(c110.798,179.051) 110.798,179.594 cw(c110.798,180.138) v1@110.414,179.754 ; v1@111.366,8.922 ccw(c110.982,9.306) 111.525,9.306 ccw(c112.068,9.306) v1@111.684,8.922 ; v1@111.366,82.622 ccw(c110.982,83.006) 111.525,83.006 ccw(c112.068,83.006) v1@111.684,82.622 ; v1@111.366,156.322 ccw(c110.982,156.706) 111.525,156.706 ccw(c112.068,156.706) v1@111.684,156.322 ; v1@111.525,9.017 111.525,10.414 111.71,10.599 117.552,10.599 ; v1@111.525,82.717 111.525,84.114 111.71,84.299 117.552,84.299 ; v1@111.525,156.417 111.525,157.814 111.71,157.999 117.552,157.999 ; v1@112.27,31.387 cw(c112.937,30.72) 112.937,31.663 ; v1@112.27,105.087 cw(c112.937,104.42) 112.937,105.363 ; v1@112.27,178.787 cw(c112.937,178.12) 112.937,179.063 ; v1(112.287,31.369) 112.581,31.663 116.311,31.663 116.605,31.369 v1(116.605,29.972) ; v1(112.287,105.069) 112.581,105.363 116.311,105.363 116.605,105.069 v1(116.605,103.672) ; v1(112.287,178.769) 112.581,179.063 116.311,179.063 116.605,178.769 v1(116.605,177.372) ; v1@112.446,31.21 cw(c113.54,30.116) 113.54,31.663 ; v1@112.446,104.91 cw(c113.54,103.816) 113.54,105.363 ; v1@112.446,178.61 cw(c113.54,177.516) 113.54,179.063 ; v1@113.906,23.908 ccw(c113.522,24.292) 114.065,24.292 ccw(c114.608,24.292) v1@114.224,23.908 ; v1@113.906,97.608 ccw(c113.522,97.992) 114.065,97.992 ccw(c114.608,97.992) v1@114.224,97.608 ; v1@113.906,171.308 ccw(c113.522,171.692) 114.065,171.692 ccw(c114.608,171.692) v1@114.224,171.308 ; v1(114.065,23.749) 114.065,25.527 114.512,25.973 v1(117.433,25.973) ; v1(114.065,97.449) 114.065,99.227 114.512,99.673 v1(117.433,99.673) ; v1(114.065,171.149) 114.065,172.927 114.512,173.373 v1(117.433,173.373) ; v1(114.7,30.988) 115.589,30.988 115.843,30.734 v1(115.843,29.083) ; v1(114.7,104.688) 115.589,104.688 115.843,104.434 v1(115.843,102.783) ; v1(114.7,178.388) 115.589,178.388 115.843,178.134 v1(115.843,176.483) ; v1@114.859,30.829 cw(c115.243,30.445) 115.243,30.988 cw(c115.243,31.531) v1@114.859,31.147 ; v1@114.859,104.529 cw(c115.243,104.145) 115.243,104.688 cw(c115.243,105.231) v1@114.859,104.847 ; v1@114.859,178.229 cw(c115.243,177.845) 115.243,178.388 cw(c115.243,178.931) v1@114.859,178.547 ; v1@115.684,29.242 ccw(c115.3,29.626) 115.843,29.626 ccw(c116.386,29.626) v1@116.002,29.242 ; v1@115.684,102.942 ccw(c115.3,103.326) 115.843,103.326 ccw(c116.386,103.326) v1@116.002,102.942 ; v1@115.684,176.642 ccw(c115.3,177.026) 115.843,177.026 ccw(c116.386,177.026) v1@116.002,176.642 ; v1@116.446,30.131 ccw(c116.062,30.515) 116.605,30.515 ccw(c117.148,30.515) v1@116.764,30.131 ; v1@116.446,103.831 ccw(c116.062,104.215) 116.605,104.215 ccw(c117.148,104.215) v1@116.764,103.831 ; v1@116.446,177.531 ccw(c116.062,177.915) 116.605,177.915 ccw(c117.148,177.915) v1@116.764,177.531 ; v1@117.208,18.891 cw(c116.824,18.507) 117.367,18.507 cw(c117.91,18.507) v1@117.526,18.891 ; v1@117.208,92.591 cw(c116.824,92.207) 117.367,92.207 cw(c117.91,92.207) v1@117.526,92.591 ; v1@117.208,166.291 cw(c116.824,165.907) 117.367,165.907 cw(c117.91,165.907) v1@117.526,166.291 ; v1@117.274,25.814 ccw(c116.89,25.43) 116.89,25.973 ccw(c116.89,26.517) v1@117.274,26.133 ; v1@117.274,99.514 ccw(c116.89,99.13) 116.89,99.673 ccw(c116.89,100.217) v1@117.274,99.833 ; v1@117.274,173.214 ccw(c116.89,172.83) 116.89,173.373 ccw(c116.89,173.917) v1@117.274,173.533 ; v1@117.462,31.401 ccw(c117.078,31.785) 117.621,31.785 ccw(c118.164,31.785) v1@117.78,31.401 ; v1@117.462,105.101 ccw(c117.078,105.485) 117.621,105.485 ccw(c118.164,105.485) v1@117.78,105.101 ; v1@117.462,178.801 ccw(c117.078,179.185) 117.621,179.185 ccw(c118.164,179.185) v1@117.78,178.801 ; v1@117.477,24.021 cw(c117.837,23.66) 117.837,24.17 ; v1@117.477,97.721 cw(c117.837,97.36) 117.837,97.87 ; v1@117.477,171.421 cw(c117.837,171.06) 117.837,171.57 ; v1(117.494,24.003) 117.661,24.17 123.757,24.17 124.225,24.638 124.225,26.797 125.114,27.686 126.892,27.686 v1@127.019,27.813 ; v1(117.494,97.703) 117.661,97.87 123.757,97.87 124.225,98.338 124.225,100.497 125.114,101.386 126.892,101.386 v1@127.019,101.513 ; v1(117.494,171.403) 117.661,171.57 123.757,171.57 124.225,172.038 124.225,174.197 125.114,175.086 126.892,175.086 v1@127.019,175.213 ; 117.621,10.668 117.875,10.922 117.875,17.97 118.256,18.351 v1@118.256,19.05 ; 117.621,84.368 117.875,84.622 117.875,91.67 118.256,92.051 v1@118.256,92.75 ; 117.621,158.068 117.875,158.322 117.875,165.37 118.256,165.751 v1@118.256,166.45 ; v1@117.653,23.844 cw(c118.441,23.057) 118.441,24.17 ; v1@117.653,97.544 cw(c118.441,96.757) 118.441,97.87 ; v1@117.653,171.244 cw(c118.441,170.457) 118.441,171.57 ; 118.256,18.34 cw(c118.923,18.34) v1@118.519,18.871 ; 118.256,92.04 cw(c118.923,92.04) v1@118.519,92.571 ; 118.256,165.74 cw(c118.923,165.74) v1@118.519,166.271 ; v1(118.637,16.256) 122.828,16.256 123.082,16.51 v1(123.082,17.145) ; v1(118.637,89.956) 122.828,89.956 123.082,90.21 v1(123.082,90.845) ; v1(118.637,163.656) 122.828,163.656 123.082,163.91 v1(123.082,164.545) ; v1@118.796,16.097 cw(c119.18,15.713) 119.18,16.256 cw(c119.18,16.799) v1@118.796,16.415 ; v1@118.796,89.797 cw(c119.18,89.413) 119.18,89.956 cw(c119.18,90.499) v1@118.796,90.115 ; v1@118.796,163.497 cw(c119.18,163.113) 119.18,163.656 cw(c119.18,164.199) v1@118.796,163.815 ; v1(118.891,15.367) 119.272,15.748 ; v1(118.891,89.067) 119.272,89.448 ; v1(118.891,162.767) 119.272,163.148 ; v1@118.893,15.592 ccw(c118.896,16.125) 119.272,15.748 ; v1@118.893,89.292 ccw(c118.896,89.825) 119.272,89.448 ; v1@118.893,162.992 ccw(c118.896,163.525) 119.272,163.148 ; v1@119.116,15.368 cw(c119.649,15.371) 119.272,15.748 ; v1@119.116,89.068 cw(c119.649,89.071) 119.272,89.448 ; v1@119.116,162.768 cw(c119.649,162.771) 119.272,163.148 ; v1@119.367,38.068 cw(c118.983,37.684) 119.526,37.684 cw(c120.069,37.684) v1@119.685,38.068 ; v1@119.367,111.768 cw(c118.983,111.384) 119.526,111.384 cw(c120.069,111.384) v1@119.685,111.768 ; v1@119.367,185.468 cw(c118.983,185.084) 119.526,185.084 cw(c120.069,185.084) v1@119.685,185.468 ; v1@119.868,31.775 ccw(c119.559,32.116) 120.02,32.116 ; v1@119.868,105.475 ccw(c119.559,105.816) 120.02,105.816 ; v1@119.868,179.175 ccw(c119.559,179.516) 120.02,179.516 ; v1@119.907,15.113 124.86,15.113 125.368,15.621 125.368,24.511 v1(125.622,24.765) ; v1@119.907,88.813 124.86,88.813 125.368,89.321 125.368,98.211 v1(125.622,98.465) ; v1@119.907,162.513 124.86,162.513 125.368,163.021 125.368,171.911 v1(125.622,172.165) ; v1(120.02,31.608) 120.02,32.116 ; v1(120.02,105.308) 120.02,105.816 ; v1(120.02,179.008) 120.02,179.516 ; v1@120.066,14.827 cw(c120.757,14.136) 120.757,15.113 ; v1@120.066,88.527 cw(c120.757,87.836) 120.757,88.813 ; v1@120.066,162.227 cw(c120.757,161.536) 120.757,162.513 ; v1@120.115,42.386 cw(c119.73,42.002) 120.274,42.002 cw(c120.817,42.002) v1@120.433,42.386 ; v1@120.115,116.086 cw(c119.73,115.702) 120.274,115.702 cw(c120.817,115.702) v1@120.433,116.086 ; v1@120.115,189.786 cw(c119.73,189.402) 120.274,189.402 cw(c120.817,189.402) v1@120.433,189.786 ; v1@120.171,31.775 cw(c120.481,32.116) 120.02,32.116 ; v1@120.171,105.475 cw(c120.481,105.816) 120.02,105.816 ; v1@120.171,179.175 cw(c120.481,179.516) 120.02,179.516 ; v1(120.274,42.545) 120.274,32.37 120.02,32.116 ; v1(120.274,116.245) 120.274,106.07 120.02,105.816 ; v1(120.274,189.945) 120.274,179.77 120.02,179.516 ; v1@122.923,16.986 cw(c122.539,16.602) 123.082,16.602 cw(c123.625,16.602) v1@123.241,16.986 ; v1@122.923,90.686 cw(c122.539,90.302) 123.082,90.302 cw(c123.625,90.302) v1@123.241,90.686 ; v1@122.923,164.386 cw(c122.539,164.002) 123.082,164.002 cw(c123.625,164.002) v1@123.241,164.386 ; 123.844,56.896 v1(125.876,56.896) ; 123.844,130.596 v1(125.876,130.596) ; 123.844,204.296 v1(125.876,204.296) ; v1@124.193,42.577 ccw(c123.809,42.961) 124.352,42.961 ccw(c124.895,42.961) v1@124.511,42.577 ; v1@124.193,54.324 cw(c123.809,53.94) 124.352,53.94 cw(c124.895,53.94) v1@124.511,54.324 ; v1@124.193,116.277 ccw(c123.809,116.661) 124.352,116.661 ccw(c124.895,116.661) v1@124.511,116.277 ; v1@124.193,128.024 cw(c123.809,127.64) 124.352,127.64 cw(c124.895,127.64) v1@124.511,128.024 ; v1@124.193,189.977 ccw(c123.809,190.361) 124.352,190.361 ccw(c124.895,190.361) v1@124.511,189.977 ; v1@124.193,201.724 cw(c123.809,201.34) 124.352,201.34 cw(c124.895,201.34) v1@124.511,201.724 ; v1(124.352,42.418) v1(124.352,54.483) ; v1(124.352,116.118) v1(124.352,128.183) ; v1(124.352,189.818) v1(124.352,201.883) ; v1@124.955,41.688 ccw(c124.238,42.405) 125.252,42.405 ; v1@124.955,115.388 ccw(c124.238,116.105) 125.252,116.105 ; v1@124.955,189.088 ccw(c124.238,189.805) 125.252,189.805 ; v1(125.114,41.529) 125.252,41.667 125.252,54.367 v1(125.368,54.483) ; v1(125.114,115.229) 125.252,115.367 125.252,128.067 v1(125.368,128.183) ; v1(125.114,188.929) 125.252,189.067 125.252,201.767 v1(125.368,201.883) ; 125.252,53.66 cw(c126.192,53.66) v1@125.527,54.324 ; 125.252,127.36 cw(c126.192,127.36) v1@125.527,128.024 ; 125.252,201.06 cw(c126.192,201.06) v1@125.527,201.724 ; 125.368,23.609 cw(c126.779,23.609) v1@125.781,24.606 ; 125.368,24.212 cw(c126.175,24.212) v1@125.605,24.783 ; 125.368,97.309 cw(c126.779,97.309) v1@125.781,98.306 ; 125.368,97.912 cw(c126.175,97.912) v1@125.605,98.483 ; 125.368,171.009 cw(c126.779,171.009) v1@125.781,172.006 ; 125.368,171.612 cw(c126.175,171.612) v1@125.605,172.183 ; v1@125.717,56.737 ccw(c125.333,56.353) 125.333,56.896 ccw(c125.333,57.439) v1@125.717,57.055 ; v1@125.717,130.437 ccw(c125.333,130.053) 125.333,130.596 ccw(c125.333,131.139) v1@125.717,130.755 ; v1@125.717,204.137 ccw(c125.333,203.753) 125.333,204.296 ccw(c125.333,204.839) v1@125.717,204.455 ; 125.863,27.686 ccw(c125.863,29.096) v1@126.86,28.099 ; 125.863,101.386 ccw(c125.863,102.796) v1@126.86,101.799 ; 125.863,175.086 ccw(c125.863,176.496) v1@126.86,175.499 ; 126.466,27.686 ccw(c126.466,28.493) v1@127.037,27.922 ; 126.466,101.386 ccw(c126.466,102.193) v1@127.037,101.622 ; 126.466,175.086 ccw(c126.466,175.893) v1@127.037,175.322 ; v1@127.749,26.638 ccw(c127.365,26.254) 127.365,26.797 ccw(c127.365,27.34) v1@127.749,26.956 ; v1@127.749,100.338 ccw(c127.365,99.954) 127.365,100.497 ccw(c127.365,101.04) v1@127.749,100.656 ; v1@127.749,174.038 ccw(c127.365,173.654) 127.365,174.197 ccw(c127.365,174.74) v1@127.749,174.356 ; v1(127.908,26.797) 125.368,26.797 124.918,26.347 124.918,16.187 124.479,15.748 119.272,15.748 ; v1(127.908,100.497) 125.368,100.497 124.918,100.047 124.918,89.887 124.479,89.448 119.272,89.448 ; v1(127.908,174.197) 125.368,174.197 124.918,173.747 124.918,163.587 124.479,163.148 119.272,163.148 ; 138.451,20.148 138.523,20.148 ; 138.451,93.848 138.523,93.848 ; 138.451,167.548 138.523,167.548
  Top Layer w0.45: v1@53.669,18.757 ccw(c53.117,19.309) 53.897,19.309 ; v1@53.669,92.457 ccw(c53.117,93.009) 53.897,93.009 ; v1@53.669,166.157 ccw(c53.117,166.709) 53.897,166.709 ; v1(53.757,18.669) 53.897,18.809 53.897,23.889 56.08,26.072 v1(58.62,26.072) ; v1(53.757,92.369) 53.897,92.509 53.897,97.589 56.08,99.772 v1(58.62,99.772) ; v1(53.757,166.069) 53.897,166.209 53.897,171.289 56.08,173.472 v1(58.62,173.472) ; 66.001,20.061 66.078,20.061 66.802,20.785 66.802,26.833 ; 66.001,93.761 66.078,93.761 66.802,94.485 66.802,100.533 ; 66.001,167.461 66.078,167.461 66.802,168.185 66.802,174.233 ; v1@126.169,18.757 ccw(c125.617,19.309) 126.397,19.309 ; v1@126.169,92.457 ccw(c125.617,93.009) 126.397,93.009 ; v1@126.169,166.157 ccw(c125.617,166.709) 126.397,166.709 ; v1(126.257,18.669) 126.397,18.809 126.397,23.889 128.58,26.072 v1(131.12,26.072) ; v1(126.257,92.369) 126.397,92.509 126.397,97.589 128.58,99.772 v1(131.12,99.772) ; v1(126.257,166.069) 126.397,166.209 126.397,171.289 128.58,173.472 v1(131.12,173.472) ; 138.501,20.061 138.578,20.061 139.302,20.785 139.302,26.833 ; 138.501,93.761 138.578,93.761 139.302,94.485 139.302,100.533 ; 138.501,167.461 138.578,167.461 139.302,168.185 139.302,174.233
  Mid-Layer 1 w0.2: v1(55.154,34.036) 55.535,34.417 ; v1(55.154,107.736) 55.535,108.117 ; v1(55.154,181.436) 55.535,181.817 ; v1@55.175,34.285 ccw(c55.213,34.739) 55.535,34.417 ; v1@55.175,107.985 ccw(c55.213,108.439) 55.535,108.117 ; v1@55.175,181.685 ccw(c55.213,182.139) 55.535,181.817 ; v1@55.403,34.057 cw(c55.857,34.095) 55.535,34.417 ; v1@55.403,107.757 cw(c55.857,107.795) 55.535,108.117 ; v1@55.403,181.457 cw(c55.857,181.495) 55.535,181.817 ; 55.916,34.417 55.535,34.417 ; 55.916,108.117 55.535,108.117 ; 55.916,181.817 55.535,181.817 ; v1(127.654,34.036) 128.035,34.417 ; v1(127.654,107.736) 128.035,108.117 ; v1(127.654,181.436) 128.035,181.817 ; v1@127.675,34.285 ccw(c127.713,34.739) 128.035,34.417 ; v1@127.675,107.985 ccw(c127.713,108.439) 128.035,108.117 ; v1@127.675,181.685 ccw(c127.713,182.139) 128.035,181.817 ; v1@127.903,34.057 cw(c128.357,34.095) 128.035,34.417 ; v1@127.903,107.757 cw(c128.357,107.795) 128.035,108.117 ; v1@127.903,181.457 cw(c128.357,181.495) 128.035,181.817 ; 128.416,34.417 128.035,34.417 ; 128.416,108.117 128.035,108.117 ; 128.416,181.817 128.035,181.817